# KiCad board RC-2XXA.kicad_pcb (continued)
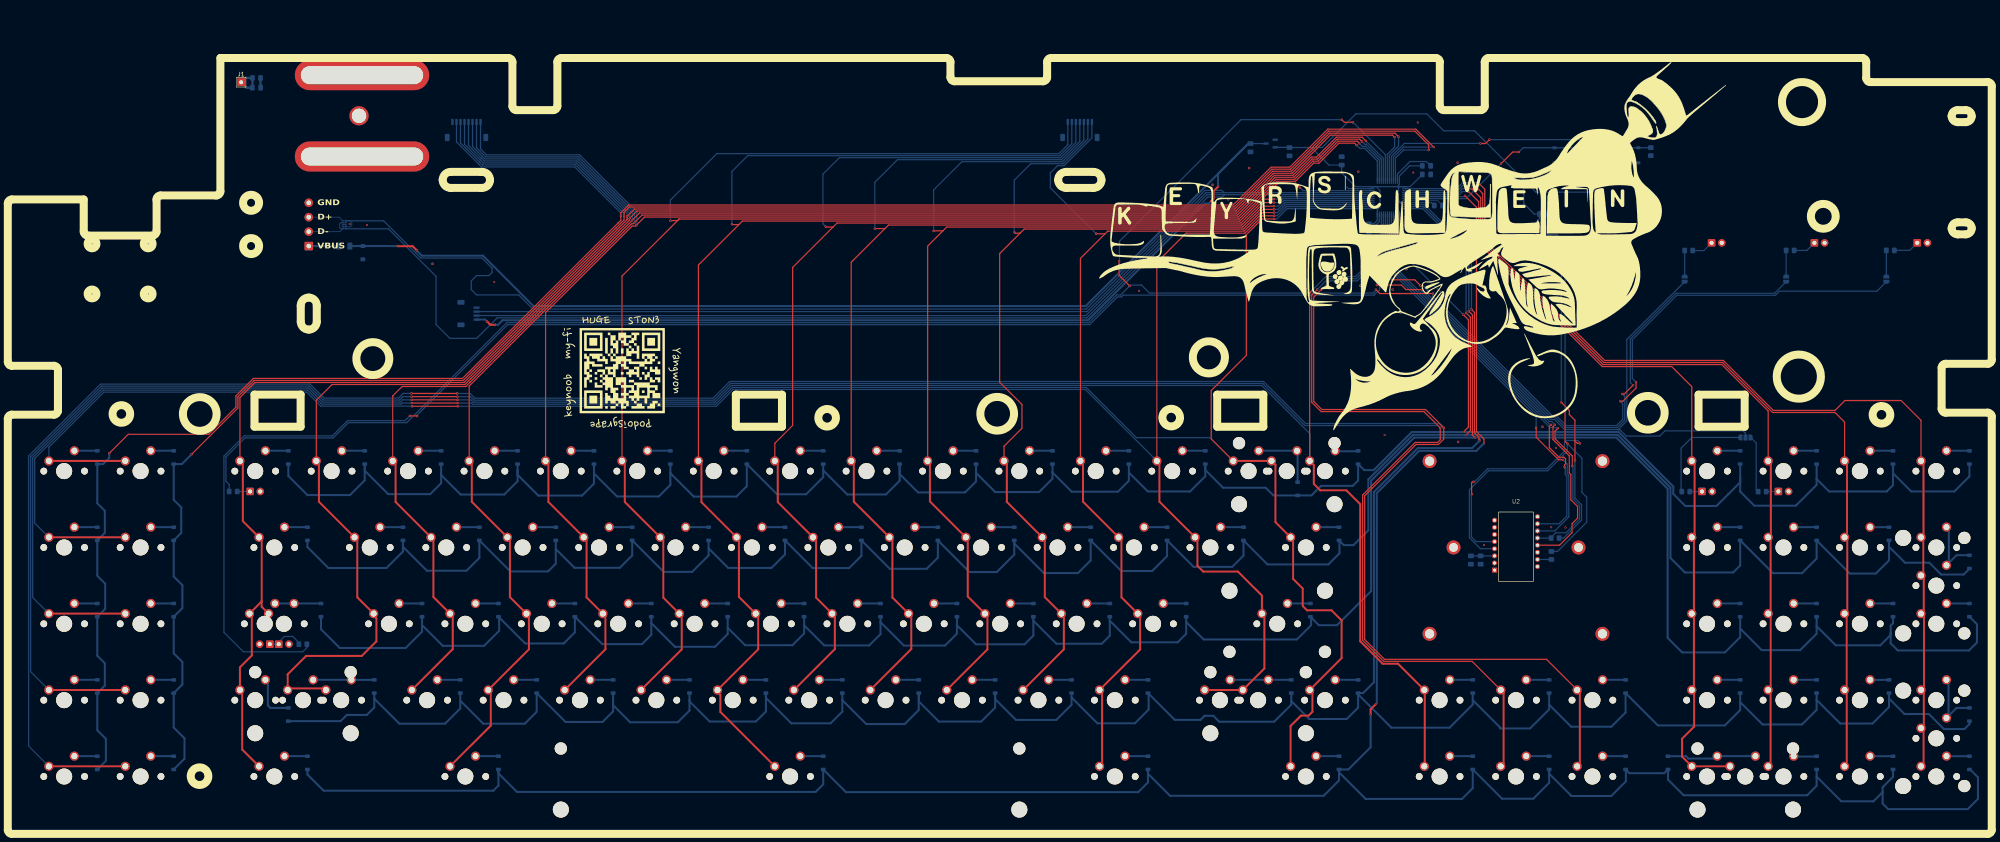
[diagram p0: board, top side]
## Footprints (pads in the part's own frame, mm; a bottom-side part is the same pattern mirrored in y, then rotated)
C_0805_2012Metric_Pad1.18x1.45mm_HandSolder
  rrect 1.175x1.45 smd: 1(-1.038,0) 2(1.038,0)
CAPS_LED_MX_3mm
  round 1.905 hole 1.04: 1(-6.032,-5.08) 1(1.27,-5.08)
  rrect 1.905x1.905 hole 1.04: 2(-3.493,-5.08) 2(-1.27,-5.08)
Cherry-GND-PAD
  round 4.8 hole 3.6: 1(0,0)
  rrect 33.5x7.5 hole 30.5x4.5: 1(0.75,10.15) 1(0.75,-10.15)
D_SOD-123
  rrect 1x1.2 smd: 1(-1.65,0) 2(1.65,0)
D_SOD-123-g
  rrect 0.9x1.2 smd: 1(-1.65,0) 2(1.65,0)
DIP_LED_MX_3mm
  round 1.905 hole 1.04: 1(1.27,-5.08)
  rrect 1.905x1.905 hole 1.04: 2(-1.27,-5.08)
Fuse_1206_3216Metric
  rrect 1.25x1.75 smd: 1(-1.4,0) 2(1.4,0)
JST_SH_SM04B-SRSS-TB_1x04-1MP_P1.00mm_Horizontal
  rrect 0.6x1.55 smd: 1(-1.5,2) 2(-0.5,2) 3(0.5,2) 4(1.5,2)
  rrect 1.2x1.8 smd: MP(-2.8,-1.875) MP(2.8,-1.875)
JST_SH_SM07B-SRSS-TB_1x07-1MP_P1.00mm_Horizontal
  rrect 0.6x1.55 smd: 1(-3,2) 2(-2,2) 3(-1,2) 4(0,2) 5(1,2) 6(2,2) 7(3,2)
  rrect 1.2x1.8 smd: MP(-4.3,-1.875) MP(4.3,-1.875)
JST_SH_SM08B-SRSS-TB_1x08-1MP_P1.00mm_Horizontal
  rrect 0.6x1.55 smd: 1(-3.5,2) 2(-2.5,2) 3(-1.5,2) 4(-0.5,2) 5(0.5,2) 6(1.5,2) 7(2.5,2) 8(3.5,2)
  rrect 1.2x1.8 smd: MP(-4.8,-1.875) MP(4.8,-1.875)
LQFP-48_7x7mm_P0.5mm
  rrect 1.475x0.3 smd: 1(-4.162,2.75) 2(-4.162,2.25) 3(-4.162,1.75) 4(-4.162,1.25) 5(-4.162,0.75) 6(-4.162,0.25) 7(-4.162,-0.25) 8(-4.162,-0.75) 9(-4.162,-1.25) 10(-4.162,-1.75) 11(-4.162,-2.25) 12(-4.162,-2.75) 25(4.162,-2.75) 26(4.162,-2.25) 27(4.162,-1.75) 28(4.162,-1.25) 29(4.162,-0.75) 30(4.162,-0.25) 31(4.162,0.25) 32(4.162,0.75) 33(4.162,1.25) 34(4.162,1.75) 35(4.162,2.25) 36(4.162,2.75)
  rrect 0.3x1.475 smd: 13(-2.75,-4.162) 14(-2.25,-4.162) 15(-1.75,-4.162) 16(-1.25,-4.162) 17(-0.75,-4.162) 18(-0.25,-4.162) 19(0.25,-4.162) 20(0.75,-4.162) 21(1.25,-4.162) 22(1.75,-4.162) 23(2.25,-4.162) 24(2.75,-4.162) 37(2.75,4.162) 38(2.25,4.162) 39(1.75,4.162) 40(1.25,4.162) 41(0.75,4.162) 42(0.25,4.162) 43(-0.25,4.162) 44(-0.75,4.162) 45(-1.25,4.162) 46(-1.75,4.162) 47(-2.25,4.162) 48(-2.75,4.162)
My-SolderWire-0.5sqmm_1x04_D0.9mm_OD2.1mm
  rrect 2.15x2.15 hole 1.15: 1(0,0)
  round 2.15 hole 1.15: 2(3.6,0) 3(7.2,0) 4(10.8,0)
R_0805_2012Metric_Pad1.20x1.40mm_HandSolder
  rrect 1.2x1.4 smd: 1(-1,0) 2(1,0)
SolderJumper-2_P1.3mm_Open_RoundedPad1.0x1.5mm
  custom 1x1.5 smd: 1(-0.65,0) 2(0.65,0)
SolderJumper-3_P1.3mm_Open_RoundedPad1.0x1.5mm
  custom 1.05x1.5 smd: 1(-1.3,0) 3(1.3,0)
  rect 1x1.5 smd: 2(0,0)
SOT-23-3
  rrect 1.325x0.6 smd: 1(-1.137,0.95) 2(-1.137,-0.95) 3(1.137,0)
SOT-23-5
  rrect 1.325x0.6 smd: 1(-1.137,0.95) 2(-1.137,0) 3(-1.137,-0.95) 4(1.137,-0.95) 5(1.137,0.95)
STAB_MX_2.25u
  round 3.048 hole 3.048 unplated: (-11.906,6.985) (11.906,6.985)
  round 3.988 hole 3.988 unplated: (-11.906,-8.255) (11.906,-8.255)
STAB_MX_2.75u
  round 3.048 hole 3.048 unplated: (-11.906,6.985) (11.906,6.985)
  round 3.988 hole 3.988 unplated: (-11.906,-8.255) (11.906,-8.255)
STAB_MX_2u
  round 3.048 hole 3.048 unplated: (-11.906,6.985) (11.906,6.985)
  round 3.988 hole 3.988 unplated: (-11.906,-8.255) (11.906,-8.255)
STAB_MX_7u
  round 3.048 hole 3.048 unplated: (-57.15,6.985) (57.15,6.985)
  round 3.988 hole 3.988 unplated: (-57.15,-8.255) (57.15,-8.255)
SW_MX_1.5u
  round 1.7 hole 1.7 unplated: (-5.08,0) (5.08,0)
  round 3.988 hole 3.988 unplated: (0,0)
  round 2.3 hole 1.524: 1(-3.81,2.54) 2(2.54,5.08)
SW_MX_1.25u
  round 1.7 hole 1.7 unplated: (-5.08,0) (5.08,0)
  round 3.988 hole 3.988 unplated: (0,0)
  round 2.3 hole 1.524: 1(-3.81,2.54) 2(2.54,5.08)
SW_MX_1.75u
  round 1.7 hole 1.7 unplated: (-5.08,0) (5.08,0)
  round 3.988 hole 3.988 unplated: (0,0)
  round 2.3 hole 1.524: 1(-3.81,2.54) 2(2.54,5.08)
SW_MX_1.75u_STP_1.25
  round 1.7 hole 1.7 unplated: (-5.08,0) (5.08,0)
  round 3.988 hole 3.988 unplated: (0,0)
  round 2.3 hole 1.524: 1(-3.81,2.54) 2(2.54,5.08)
SW_MX_1u
  round 1.7 hole 1.7 unplated: (-5.08,0) (5.08,0)
  round 3.988 hole 3.988 unplated: (0,0)
  round 2.3 hole 1.524: 1(-3.81,2.54) 2(2.54,5.08)
SW_Push_1P1T_XKB_TS-1187A
  rect 1x0.75 smd: 1(-3,1.875) 1(3,1.875) 2(-3,-1.875) 2(3,-1.875)
TestPoint_THTPad_2.0x2.0mm_Drill1.0mm
  rect 2x2 hole 1: 1(0,0)
TrackballHolder_34mm
  rect 1.25x1.25 hole 0.75: 1(-5.35,-5.66)
  oval 1.25x1.25 hole 0.75: 2(-5.35,-3.88) 3(-5.35,-2.1) 4(-5.35,-0.32) 5(-5.35,1.46) 6(-5.35,3.24) 7(-5.35,5.02) 8(-5.35,6.8) 9(5.35,7.69) 10(5.35,5.91) 11(5.35,4.13) 12(5.35,2.35) 13(5.35,0.57) 14(5.35,-1.21) 15(5.35,-2.99) 16(5.35,-4.77)
  round 3.5 hole 2.3: 8(-21.549,21.549) 8(-21.549,-21.549) 8(21.549,21.549) 8(21.549,-21.549)
  round 3.5 hole 2.2: 8(-15.581,0) 8(15.581,0)
USON-10_2.5x1.0mm_P0.5mm
  rrect 0.55x0.25 smd: 1(-0.385,1)
  rect 0.55x0.25 smd: 2(-0.385,0.5) 4(-0.385,-0.5) 5(-0.385,-1) 6(0.385,-1) 7(0.385,-0.5) 9(0.385,0.5) 10(0.385,1)
  rect 0.55x0.3 smd: 3(-0.385,0) 8(0.385,0)

## Nets
+3V3: C2.1 C7.1 C8.1 C9.1 C10.1 C11.1 C13.1 R4.1 SW2.2 U1.1 U1.3 U2.5 U4.1 U4.9 U4.24 U4.36 U4.48 U5.2
+5V: C12.1 D206.1 F1.2 J2.1 U5.3
GND: C1.2 C2.2 C3.2 C4.2 C5.2 C6.2 C7.2 C8.2 C9.2 C10.2 C11.2 C12.2 C13.2 D206.2 H1.1 J2.4 J3.4 J4.8 LED1.1 LED2.1 LED3.1 LED4.1 LED5.1 LED6.1 LED7.1 R1.2 R10.2 SW1.2 U1.2 U2.8 U3.3 U3.8 U4.8 U4.23 U4.35 U4.47 U5.1
GNDREF: C1.1 J1.1 R1.1
VBUS: F1.1 J3.1
VDD_TR: C3.1 R5.2 U1.5 U2.4
BOOT-1: R10.1 SW2.1 U4.44
CAPLED: JP2.1 R6.2 U4.18
COL0: J4.5 MX3.1 MX25.1 MX46.1 MX47.1 MX66.1 MX92.1 U4.43
COL1: J4.4 MX4.1 MX26.1 MX48.1 MX67.1 MX68.1 U4.42
COL2: J4.3 MX5.1 MX27.1 MX49.1 MX69.1 U4.40
COL3: J4.2 MX6.1 MX28.1 MX50.1 MX70.1 MX93.1 U4.39
COL4: J4.1 MX7.1 MX29.1 MX51.1 MX71.1 U4.38
COL5: J5.7 MX8.1 MX30.1 MX52.1 MX72.1 U4.37
COL6: J5.6 MX9.1 MX31.1 MX53.1 MX73.1 MX94.1 U4.34
COL7: J5.5 MX10.1 MX32.1 MX54.1 MX74.1 U4.31
COL8: J5.4 MX11.1 MX33.1 MX55.1 MX75.1 U4.30
COL9: J5.3 MX12.1 MX34.1 MX56.1 MX76.1 U4.29
COL10: J5.2 MX13.1 MX35.1 MX57.1 MX77.1 U4.28
COL11: J5.1 MX14.1 MX36.1 MX58.1 MX78.1 MX95.1 U4.27
COL12: MX1.1 MX2.1 MX15.1 MX37.1 MX59.1 MX79.1 MX80.1 U4.26
COL13: MX16.1 MX17.1 MX23.1 MX24.1 MX38.1 MX81.1 MX96.1 U4.25
COL14: MX18.1 MX44.1 MX45.1 MX82.1 MX97.1 U4.22
COL15: MX64.1 MX65.1 MX83.1 MX98.1 U4.21
COL16: MX84.1 MX90.1 MX91.1 MX99.1 U4.20
COL17: MX19.1 MX39.1 MX60.1 MX85.1 MX100.1 MX101.1 U4.5
COL18: MX20.1 MX40.1 MX61.1 MX86.1 MX102.1 U4.4
COL19: MX21.1 MX41.1 MX62.1 MX87.1 MX103.1 U4.3
COL20: MX22.1 MX42.1 MX43.1 MX63.1 MX88.1 MX89.1 MX104.1 U4.2
CS: U2.13 U4.14
DN: J2.2 J3.2 U3.2 U3.5 U3.6 U3.9 U4.32
DP: J2.3 J3.3 U3.1 U3.4 U3.7 U3.10 U4.33
MISO: R4.2 U2.12 U4.16
MOSI: U2.11 U4.17
NUMLED: JP3.1 JP4.2 U4.19
ROW0: D1.1 D23.1 D44.1 D64.1 D90.1 J4.7 U4.45
ROW1: D2.1 D24.1 D45.1 D65.1 D91.1 J4.6 U4.46
ROW2: D3.1 D4.1 D5.1 D6.1 D7.1 D8.1 D9.1 D10.1 D11.1 D12.1 D13.1 D14.1 D15.1 D16.1 D18.1 D19.1 D20.1 D21.1 D22.1 U4.13
ROW3: D25.1 D26.1 D27.1 D28.1 D29.1 D30.1 D31.1 D32.1 D33.1 D34.1 D35.1 D36.1 D37.1 D38.1 D39.1 D40.1 D41.1 D42.1 U4.12
ROW4: D46.1 D48.1 D49.1 D50.1 D51.1 D52.1 D53.1 D54.1 D55.1 D56.1 D57.1 D58.1 D59.1 D60.1 D61.1 D62.1 D63.1 U4.11
ROW5: D66.1 D68.1 D69.1 D70.1 D71.1 D72.1 D73.1 D74.1 D75.1 D76.1 D77.1 D78.1 D80.1 D81.1 D82.1 D83.1 D84.1 D85.1 D86.1 D87.1 D88.1 U4.10
ROW6: D92.1 D93.1 D94.1 D95.1 D96.1 D97.1 D98.1 D99.1 D100.1 D102.1 D103.1 D104.1 U4.6
RST-1: C6.1 SW1.1 U4.7
SCLK: U2.10 U4.15
SCLLED: JP1.1 R2.2 U4.41
Net-(D1-A): D1.2 MX1.2
Net-(D2-A): D2.2 MX2.2
Net-(D3-A): D3.2 MX3.2
Net-(D4-A): D4.2 MX4.2
Net-(D5-A): D5.2 MX5.2
Net-(D6-A): D6.2 MX6.2
Net-(D7-A): D7.2 MX7.2
Net-(D8-A): D8.2 MX8.2
Net-(D9-A): D9.2 MX9.2
Net-(D10-A): D10.2 MX10.2
Net-(D11-A): D11.2 MX11.2
Net-(D12-A): D12.2 MX12.2
Net-(D13-A): D13.2 MX13.2
Net-(D14-A): D14.2 MX14.2
Net-(D15-A): D15.2 MX15.2
Net-(D16-A): D16.2 MX16.2 MX17.2
Net-(D18-A): D18.2 MX18.2
Net-(D19-A): D19.2 MX19.2
Net-(D20-A): D20.2 MX20.2
Net-(D21-A): D21.2 MX21.2
Net-(D22-A): D22.2 MX22.2
Net-(D23-A): D23.2 MX23.2
Net-(D24-A): D24.2 MX24.2
Net-(D25-A): D25.2 MX25.2
Net-(D26-A): D26.2 MX26.2
Net-(D27-A): D27.2 MX27.2
Net-(D28-A): D28.2 MX28.2
Net-(D29-A): D29.2 MX29.2
Net-(D30-A): D30.2 MX30.2
Net-(D31-A): D31.2 MX31.2
Net-(D32-A): D32.2 MX32.2
Net-(D33-A): D33.2 MX33.2
Net-(D34-A): D34.2 MX34.2
Net-(D35-A): D35.2 MX35.2
Net-(D36-A): D36.2 MX36.2
Net-(D37-A): D37.2 MX37.2
Net-(D38-A): D38.2 MX38.2
Net-(D39-A): D39.2 MX39.2
Net-(D40-A): D40.2 MX40.2
Net-(D41-A): D41.2 MX41.2
Net-(D42-A): D42.2 MX42.2 MX43.2
Net-(D44-A): D44.2 MX44.2
Net-(D45-A): D45.2 MX45.2
Net-(D46-A): D46.2 MX46.2 MX47.2
Net-(D48-A): D48.2 MX48.2
Net-(D49-A): D49.2 MX49.2
Net-(D50-A): D50.2 MX50.2
Net-(D51-A): D51.2 MX51.2
Net-(D52-A): D52.2 MX52.2
Net-(D53-A): D53.2 MX53.2
Net-(D54-A): D54.2 MX54.2
Net-(D55-A): D55.2 MX55.2
Net-(D56-A): D56.2 MX56.2
Net-(D57-A): D57.2 MX57.2
Net-(D58-A): D58.2 MX58.2
Net-(D59-A): D59.2 MX59.2
Net-(D60-A): D60.2 MX60.2
Net-(D61-A): D61.2 MX61.2
Net-(D62-A): D62.2 MX62.2
Net-(D63-A): D63.2 MX63.2
Net-(D64-A): D64.2 MX64.2
Net-(D65-A): D65.2 MX65.2
Net-(D66-A): D66.2 MX66.2
Net-(D68-A): D68.2 MX67.2 MX68.2
Net-(D69-A): D69.2 MX69.2
Net-(D70-A): D70.2 MX70.2
Net-(D71-A): D71.2 MX71.2
Net-(D72-A): D72.2 MX72.2
Net-(D73-A): D73.2 MX73.2
Net-(D74-A): D74.2 MX74.2
Net-(D75-A): D75.2 MX75.2
Net-(D76-A): D76.2 MX76.2
Net-(D77-A): D77.2 MX77.2
Net-(D78-A): D78.2 MX78.2
Net-(D80-A): D80.2 MX79.2 MX80.2
Net-(D81-A): D81.2 MX81.2
Net-(D82-A): D82.2 MX82.2
Net-(D83-A): D83.2 MX83.2
Net-(D84-A): D84.2 MX84.2
Net-(D85-A): D85.2 MX85.2
Net-(D86-A): D86.2 MX86.2
Net-(D87-A): D87.2 MX87.2
Net-(D88-A): D88.2 MX88.2 MX89.2
Net-(D90-A): D90.2 MX90.2
Net-(D91-A): D91.2 MX91.2
Net-(D92-A): D92.2 MX92.2
Net-(D93-A): D93.2 MX93.2
Net-(D94-A): D94.2 MX94.2
Net-(D95-A): D95.2 MX95.2
Net-(D96-A): D96.2 MX96.2
Net-(D97-A): D97.2 MX97.2
Net-(D98-A): D98.2 MX98.2
Net-(D99-A): D99.2 MX99.2
Net-(D100-A): D100.2 MX100.2 MX101.2
Net-(D102-A): D102.2 MX102.2
Net-(D103-A): D103.2 MX103.2
Net-(D104-A): D104.2 MX104.2
Net-(JP1-B): JP1.2 R3.2
Net-(JP2-B): JP2.2 R7.2
Net-(JP3-B): JP3.2 R9.2
Net-(JP4-A): JP4.1 R8.2
Net-(JP4-B): JP4.3 R11.2
Net-(LED1-A): LED1.2 R2.1
Net-(LED2-A): LED2.2 R3.1
Net-(LED3-A): LED3.2 R6.1
Net-(LED4-A): LED4.2 R7.1
Net-(LED5-A): LED5.2 R8.1
Net-(LED6-A): LED6.2 R9.1
Net-(LED7-A): LED7.2 R11.1
Net-(U2-LED_P): R5.1 U2.15
Net-(U2-VDDPIX): C4.1 C5.1 U2.3

Pads without a net: J2 MP; J4 MP; J5 MP; U1 4; U2 1 2 6 7 9 14 16

## Via types
v1: diameter 0.5, hole 0.3, Top to Bottom, 18 vias
v2: diameter 0.6, hole 0.3, Top to Bottom, 109 vias

## Routing (per net, layer and track width the routed paths; a pad name or vN(x,y) marks a point on that pad's centre or on a via; arc(x,y) is an arc through that point)
+3V3: length 333.9
  Top w0.3: 390.62,98.08 391.23,97.47 v2(391.86,97.47) ; 390.62,98.08 v2(390.62,93.17) ; 390.62,98.08 390.62,103.27 389.23,104.66 389.23,105.68 v2(387.22,107.69) ; v2(364.96,84.78) 364.86,84.88 364.86,87.67 365.06,87.87 v2(365.38,87.87)
  Bottom w0.3: U4.1 349.55,161.53 C11.1 ; U4.1 346.99,161.53 346.64,161.18 346.64,158.01 347.13,157.53 U4.9 354.86,157.53 C7.1 ; U4.1 346.3,161.53 ; 406.43,167.53 406.37,167.48 SW2.2 400.43,165.58 395,160.15 380.9,160.15 377.88,163.17 ; 380.55,151.77 380.9,151.43 U1.3 381.47,151.43 ; 380.55,151.77 380.55,150.29 381.31,149.53 U1.1 381.94,146.86 387.22,141.57 v2(387.22,107.69) ; 380.55,151.77 380.55,152.32 381.79,153.56 C2.1 380.5,154.69 377.88,157.31 377.88,163.17 ; 324.93,171.29 327.62,171.29 336.01,179.68 353.7,179.68 357.92,175.46 365.59,175.46 377.88,163.17 ; 324.93,171.29 C13.1 319.42,171.33 315.9,171.33 ; 324.93,171.29 329.28,166.93 C9.1 332.49,164.96 335.92,161.53 U4.36 ; 346.87,162.94 346.87,164.19 349.4,166.72 C10.1 ; U4.48 346.87,162.1 346.3,161.53 ; 346.3,161.53 U4.36 ; U2.5 366,72.95 364.81,74.14 364.81,84.63 v2(364.96,84.78) ; U4.36 341.08,161.53 342.01,160.59 342.01,156.41 341.37,155.77 U4.24 341.35,154.6 341.35,153.09 340.52,152.26 C8.1 ; v2(391.86,97.47) 391.86,97.66 391.33,98.19 388.61,98.19 388.01,97.59 388.01,95.52 383.62,91.12 368.85,91.12 365.68,87.96 365.47,87.96 v2(365.38,87.87) ; v2(390.62,93.17) 390.62,83.82 392.27,82.17 392.27,78.3 387.81,73.84 R4.1
+5V: length 466.1
  Top w0.5: v2(301.66,161.51) 300.55,160.4 300.55,158.53 v2(299.95,157.93) ; v2(101.91,145.63) 100.87,146.67 97.22,146.67 v2(97.19,146.7) ; v2(121.39,127.05) 120.25,127.05 v2(119.44,127.87)
  Bottom w0.3: U5.3 313.63,172.28 C12.1
  Bottom w0.5: 309.21,172.28 268.66,131.73 130.98,131.73 118.41,144.3 103.17,144.3 101.91,145.56 v2(101.91,145.63) ; 309.21,172.28 C12.1 ; 309.21,172.28 301.66,164.73 v2(301.66,161.51) ; v2(121.39,127.05) 122.16,127.05 123.29,128.18 269.2,128.18 298.33,157.31 299.33,157.31 v2(299.95,157.93) ; F1.2 D206.1 v2(97.19,146.7) ; v2(119.44,127.87) 118.95,128.35 J2.1
GND: length 36.7
  Bottom w0.2: U4.8 356.43,158.03 C7.2 ; U3.8 U3.3
  Bottom w0.3: C10.2 353.59,167.79 349.5,167.79 346.37,164.66 U4.47 ; C8.2 341.87,152.79 U4.23 ; 333.76,161.43 334.17,161.03 U4.35
  Bottom w0.6: R1.2 62.94,186.25 ; 62.93,186.63 62.96,186.59
  vias: v1(85.16,152.21) v1(89.47,151.94) v1(121.22,137.7) v1(281.97,135.52) v1(343.19,99.56) v1(350.32,165.03) v1(351.45,177.54) v1(367.96,72.09) v1(384.72,76.53) v1(385.88,96.35) v1(388.28,76.47) v2(105.81,142.27) v2(300.29,161.99) v2(304.19,158.37) v2(309.42,166.17) v2(329.03,163.3) v2(336.61,165.28) v2(337.13,136.8) v2(345.18,135.85) v2(348.62,140.94) v2(356.1,146.56) v2(361.37,167.51) v2(361.52,97.83) v2(382.53,101.62)
GNDREF: length 9.1
  Bottom w0.6: 60.94,186.25 R1.1 59.2,188.65 J1.1 59.47,186.21 C1.1 ; 60.93,186.63 60.89,186.59
VBUS: length 7.5
  Bottom w0.5: J3.1 F1.1
VDD_TR: length 138.2
  Top w0.3: v2(388.17,105.65) 388.17,97.96 v2(388.78,97.35)
  Bottom w0.3: R5.2 386.27,70.5 393.57,77.8 393.57,84.03 392.37,85.23 392.37,93.76 v2(388.78,97.35) 388.72,97.29 388.72,95.52 383.82,90.62 369.05,90.62 364.31,85.88 364.31,73.93 367.07,71.17 U2.4 ; v2(388.17,105.65) 388.17,147.46 C3.1 386.1,149.53 U1.5
BOOT-1: length 73.5
  Top w0.3: v2(367.07,172.29) 368.34,172.29 v2(369.32,173.27)
  Bottom w0.3: v2(367.07,172.29) 367.04,172.32 348.1,172.32 344.87,169.09 U4.44 ; v2(369.32,173.27) 398.44,173.27 400.43,171.28 SW2.1 SW2.1 409.5,171.23 R10.1
CAPLED: length 536.8
  Top w0.3: v2(345.04,138.28) 350.68,138.28 v2(352.13,136.83) ; v2(100.18,104.34) 101.88,104.34 v2(101.97,104.24) ; v2(402.44,109.79) 402.93,109.79 v2(405.11,111.97)
  Bottom w0.3: v2(402.44,109.79) 403.05,109.18 403.05,103.27 401.18,101.41 388.26,101.41 385.75,103.92 384.74,103.92 353.85,134.81 353.85,135.74 352.76,136.83 v2(352.13,136.83) ; v2(100.18,104.34) 98.98,103.13 84.66,103.13 80.86,99.33 58.88,99.33 53.82,94.28 53.82,94.28 53.82,50.33 58.7,45.45 73.44,45.45 74.5,46.51 R6.2 ; JP2.1 440.41,134.92 415.81,134.92 404.43,123.54 404.43,112.65 v2(405.11,111.97) ; 344.37,140.01 U4.18 ; 344.37,140.01 341.91,137.55 341.91,135.81 340.56,134.46 278.05,134.46 277.59,134 276.58,134 269.66,127.08 124.55,127.08 101.97,104.5 v2(101.97,104.24) ; 344.37,140.01 344.37,138.96 v2(345.04,138.28)
COL0: length 485.7
  Top w0.3: v2(346.66,173.98) 345.78,174.87 329.43,174.87 319.93,165.37 315.27,165.37 305.85,155.95 156.19,155.95 v2(154.36,154.13) 154.36,154.13 154.36,153.93 154.36,153.93 154.36,153.39 154.36,153.39 154.36,153.3 125.29,124.23 125.28,124.23 113.71,112.66 61.57,112.66 57.81,108.9 MX3.1
  Top w0.5: MX3.1 58.54,92.35 58.54,78.06 MX25.1 63.23,73.37 63.23,58.03 ; 63.23,58.03 63.23,56.7 MX47.1 ; 63.23,58.03 MX46.1 60.78,54.39 60.78,44.55 57.81,41.58 MX66.1 58.38,35.36 58.38,21.07 MX92.1
  Bottom w0.3: v2(346.66,173.98) 346.66,171.67 344.37,169.38 U4.43 ; v2(154.36,154.13) 154.36,154.77 141.68,167.45 118.46,167.45 117.85,168.06 117.85,168.06 117.74,168.17 117.73,168.17 113.8,172.1 J4.5
COL1: length 468.2
  Top w0.3: MX4.1 76.86,108.23 80.79,112.16 113.92,112.16 115.33,113.57 115.34,113.57 154.87,153.1 154.87,153.52 v2(155.01,153.66) 156.8,155.45 306.06,155.45 315.48,164.87 320.14,164.87 329.64,174.37 345.16,174.37 v2(345.67,173.85)
  Top w0.5: MX68.1 78.85,36.32 70.1,36.32 MX67.1 69.71,39.83 74.3,44.42 88.18,44.42 91.83,48.07 91.83,53.82 91.15,54.51 MX48.1 87.07,59.06 87.07,73.34 MX26.1 77.51,82.9 77.51,92.43 MX4.1
  Bottom w0.3: U4.42 343.87,169.59 345.67,171.39 v2(345.67,173.85) ; v2(155.01,153.66) 155.01,153.85 155.01,154.4 155.01,154.4 155.01,154.83 141.88,167.95 118.67,167.95 118.06,168.56 118.06,168.56 117.94,168.67 117.93,168.67 114.8,171.81 J4.4
COL2: length 420.1
  Top w0.3: MX5.1 95.91,109.32 98.25,111.66 114.13,111.66 115.2,112.73 115.21,112.73 155.57,153.09 v2(155.57,153.09) 155.57,153.1 157.42,154.94 306.26,154.94 315.68,164.37 320.34,164.37 324.88,168.9 326.19,168.9 331.16,173.87 337.57,173.87 v2(338.51,172.92)
  Top w0.5: MX5.1 96.62,92.37 96.62,82.84 MX27.1 106.04,73.42 106.04,59.14 MX49.1 110.87,54.31 110.87,46.14 MX69.1
  Bottom w0.3: U4.40 342.87,168.57 v2(338.51,172.92) ; J4.3 115.8,171.53 118.26,169.06 118.26,169.06 118.88,168.45 142.09,168.45 155.66,154.88 155.66,153.18 v2(155.57,153.09)
COL3: length 425.3
  Top w0.3: MX6.1 114.96,111.77 155.44,152.25 155.87,152.25 v2(156.13,152.52) 158.05,154.44 306.46,154.44 315.89,163.87 320.55,163.87 325.09,168.4 326.4,168.4 331.37,173.37 336.97,173.37 v2(337.55,172.79)
  Top w0.5: MX93.1 120.35,27.04 120.35,35.3 MX70.1 129.86,46.08 129.86,54.37 MX50.1 125.12,59.11 125.12,73.39 MX28.1 115.62,82.89 115.62,92.42 MX6.1
  Bottom w0.3: J4.2 116.8,171.24 119.08,168.95 142.3,168.95 156.22,155.03 156.22,152.61 v2(156.13,152.52) ; U4.39 342.37,168.36 338.62,172.1 338.23,172.1 v2(337.55,172.79)
COL4: length 392.9
  Top w0.3: v2(336.85,172.36) 336.35,172.87 331.57,172.87 326.61,167.9 325.29,167.9 320.76,163.37 316.1,163.37 306.67,153.94 158.67,153.94 v2(156.62,151.89) 156.43,151.69 155.59,151.69 134.01,130.11 MX7.1
  Top w0.5: MX7.1 134.71,92.38 134.71,82.85 MX29.1 144.22,73.34 144.22,59.06 MX51.1 148.93,54.35 148.93,46.1 MX71.1
  Bottom w0.3: v2(156.62,151.89) 156.78,152.05 156.78,155.18 142.51,169.45 119.29,169.45 117.8,170.94 J4.1 ; U4.38 341.87,168.15 338.43,171.59 337.63,171.59 v2(336.85,172.36)
COL5: length 440.4
  Top w0.3: 167.29,153.44 166.91,153.05 v2(165.13,153.05) ; 167.29,153.44 153.06,139.2 MX8.1 ; 167.29,153.44 306.9,153.44 316.33,162.87 320.97,162.87 325.5,167.4 326.82,167.4 331.78,172.37 335.72,172.37 v2(336.22,171.87)
  Top w0.5: MX72.1 167.95,46.07 167.95,54.38 MX52.1 163.36,58.97 163.36,73.25 MX30.1 153.76,82.85 153.76,92.38 MX8.1
  Bottom w0.3: U4.37 341.37,167.92 338.2,171.08 337,171.08 v2(336.22,171.87) ; J5.7 264.2,171.96 262,169.76 176.7,169.76 165.13,158.19 v2(165.13,153.05)
COL6: length 426.5
  Top w0.3: v2(180.46,152.16) 180.57,152.05 182.19,152.05 182.25,152.11 ; MX9.1 172.11,141.97 182.25,152.11 ; 182.25,152.11 183.08,152.94 307.11,152.94 316.53,162.37 320.96,162.37 v2(322.07,161.25)
  Top w0.5: MX94.1 177.58,30.46 177.58,34.7 176.95,35.33 176.95,35.85 MX73.1 187.01,46.08 187.01,54.37 MX53.1 182.21,59.17 182.21,73.45 MX31.1 172.86,82.8 172.86,92.33 MX9.1
  Bottom w0.3: J5.6 265.2,172.25 262.21,169.26 184.4,169.26 180.46,165.32 v2(180.46,152.16) ; v2(322.07,161.25) 322.8,160.53 U4.34
COL7: length 356.1
  Top w0.3: 205.67,151.44 195.6,141.37 195.6,101.94 191.16,97.5 MX10.1 ; 205.67,151.44 206.67,152.44 307.33,152.44 313.29,158.4 v2(315.59,158.4) ; 205.67,151.44 203.97,151.44 v2(203.84,151.56)
  Top w0.5: MX10.1 191.89,92.35 191.89,82.82 MX32.1 201.44,73.27 201.44,58.99 MX54.1 206.13,54.3 206.13,46.15 MX74.1
  Bottom w0.3: v2(203.84,151.56) 203.17,152.23 203.17,164.67 207.26,168.76 262.42,168.76 266.2,172.54 J5.5 ; U4.31 317.55,159.03 316.92,158.4 v2(315.59,158.4)
COL8: length 327.7
  Top w0.3: MX11.1 210.21,142.66 218.61,151.06 ; v2(315.62,157.54) 313.14,157.54 307.53,151.94 219.49,151.94 218.61,151.06 ; 218.61,151.06 218.6,151.06 v2(216.09,151.06)
  Top w0.5: MX11.1 210.85,92.44 210.85,82.91 MX33.1 220.47,73.29 220.47,59.01 MX55.1 225.18,54.3 225.18,46.15 MX75.1
  Bottom w0.3: U4.30 317.78,158.53 316.79,157.54 v2(315.62,157.54) ; J5.4 267.2,172.83 262.63,168.26 221.74,168.26 216.09,162.61 v2(216.09,151.06)
COL9: length 296.2
  Top w0.3: 233.08,150.51 229.26,146.69 MX12.1 ; 233.08,150.51 230.77,150.51 v2(230.75,150.49) ; 233.08,150.51 234.01,151.44 307.74,151.44 312.96,156.65 v2(315.6,156.65)
  Top w0.5: MX12.1 229.82,92.52 229.82,82.99 MX34.1 239.26,73.55 239.26,59.27 MX56.1 244.16,54.37 244.16,46.08 MX76.1
  Bottom w0.3: v2(315.6,156.65) 316.61,156.65 317.99,158.03 U4.29 ; J5.3 268.2,173.11 262.85,167.76 237.8,167.76 230.75,160.71 v2(230.75,150.49)
COL10: length 262.9
  Top w0.3: 252.36,149.97 252.3,149.91 251.1,149.91 v2(250.87,150.13) ; 252.36,149.97 253.32,150.93 307.96,150.93 312.88,155.85 v2(315.62,155.85) ; 252.36,149.97 247.21,144.82 247.21,112.74 252.77,107.18 252.77,101.22 248.31,96.76 MX13.1
  Top w0.5: MX77.1 263.21,46.08 263.21,54.37 MX57.1 258.46,59.12 258.46,73.4 MX35.1 249,82.86 249,92.39 MX13.1
  Bottom w0.3: U4.28 318.22,157.53 316.54,155.85 v2(315.62,155.85) ; J5.2 269.2,173.4 263.06,167.26 254.98,167.26 250.85,163.13 250.85,150.15 v2(250.87,150.13)
COL11: length 255.9
  Top w0.3: v2(271.26,149.79) 271.29,149.77 273.5,149.77 ; 273.5,149.77 267.36,143.63 MX14.1 ; 273.5,149.77 274.16,150.43 308.17,150.43 312.79,155.05 v2(315.63,155.05)
  Top w0.5: MX95.1 272.75,17.52 272.75,35.3 MX78.1 282.23,46.05 282.23,54.4 MX58.1 277.58,59.05 277.58,73.33 MX36.1 267.99,82.92 267.99,92.45 MX14.1
  Bottom w0.3: v2(315.63,155.05) 316.45,155.05 318.43,157.03 U4.27 ; J5.1 270.2,173.69 263.26,166.76 261.64,166.76 259.85,164.97 259.85,161.2 v2(271.26,149.79)
COL12: length 508.9
  Top w0.3: v2(112.16,106.73) v2(100.73,106.73) ; v2(315.64,154.25) 312.7,154.25 308.38,149.93 293.71,149.93 286.41,142.63 MX15.1
  Top w0.5: MX79.1 MX80.1 313.2,41.3 313.2,54.38 MX59.1 312.6,59.49 306.61,65.48 297.95,65.48 296.52,66.91 296.52,73.44 MX37.1 287.04,82.92 287.04,92.45 MX15.1 ; MX1.1 MX2.1
  Bottom w0.3: v2(100.73,106.73) 100.7,106.76 77.95,106.76 74.47,110.25 23.9,110.25 10.18,96.53 MX1.1 ; v2(315.64,154.25) 316.37,154.25 318.65,156.53 U4.26 ; MX15.1 268.58,110.91 180.76,110.91 176.58,106.73 v2(112.16,106.73)
COL13: length 556.9
  Top w0.3: MX16.1 299.96,98.58 299.96,110.66 308.7,119.4 308.7,149.55 312.61,153.45 v2(315.65,153.45) ; v2(112.13,107.53) 100.67,107.53 v2(100.66,107.53)
  Top w0.5: MX23.1 MX24.1 ; MX16.1 MX17.1 315.97,92.09 315.97,77.81 MX38.1 320.37,73.41 320.37,63.64 322.77,61.24 322.77,56.87 323.82,55.82 329.93,55.82 332.47,53.29 332.47,43.89 MX81.1 325.19,35.25 325.19,30.5 324.22,29.53 322.32,29.53 319.75,26.96 MX96.1
  Bottom w0.3: MX23.1 6.64,77.57 6.64,93.7 23.69,110.75 74.67,110.75 78.16,107.26 97.98,107.26 98.25,107.53 v2(100.66,107.53) ; MX16.1 299.65,98.89 281.31,98.89 268.79,111.41 180.56,111.41 176.38,107.23 115.76,107.23 115.47,107.53 v2(112.13,107.53) ; U4.25 318.88,156.03 316.3,153.45 v2(315.65,153.45)
COL14: length 568.1
  Top w0.3: MX18.1 324.51,135.06 v2(325.32,135.87) ; v2(100.65,108.33) v2(112.06,108.33)
  Top w0.5: MX44.1 MX45.1 ; MX97.1 353.19,16.99 353.19,35.82 MX82.1 346.53,42.48 342.69,42.48 337.1,48.07 337.1,82.3 333.66,85.74 327.15,85.74 325.54,87.35 325.54,92.05 MX18.1
  Bottom w0.3: v2(112.06,108.33) 115.38,108.33 115.97,107.74 176.17,107.74 180.35,111.92 312.53,111.92 324.51,99.94 MX18.1 ; v2(100.65,108.33) 98.34,108.33 97.78,107.77 78.37,107.77 74.88,111.25 23.49,111.25 6.14,93.91 6.14,59.02 MX44.1 ; U4.22 342.37,145.55 335.91,139.09 328.54,139.09 v2(325.32,135.87)
COL15: length 662.9
  Top w0.3: v2(100.6,109.13) 112.03,109.13 v2(112.03,109.13) ; MX83.1 364.98,43.08 342.94,43.08 337.7,48.32 337.7,84.58 350.82,97.7 356.39,97.7 357.05,98.36 v2(357.05,101.32) 352.97,105.4 327.34,105.4 325.01,107.74 325.01,134.48 v2(326.38,135.85)
  Top w0.5: MX64.1 MX65.1 ; MX83.1 372.85,35.21 372.85,17.6 MX98.1
  Bottom w0.3: U4.21 342.87,145.31 336.1,138.54 329.07,138.54 v2(326.38,135.85) ; v2(100.6,109.13) 98.43,109.13 97.57,108.27 78.58,108.27 75.09,111.75 23.28,111.75 5.64,94.12 5.64,40.48 MX64.1 ; v2(112.03,109.13) 115.29,109.13 116.18,108.24 175.96,108.24 180.14,112.42 312.78,112.42 323.27,101.92 356.45,101.92 v2(357.05,101.32)
COL16: length 703.4
  Top w0.3: MX84.1 383.53,43.59 343.15,43.59 338.21,48.53 338.21,84.38 351.03,97.2 356.6,97.2 357.92,98.52 v2(357.92,101.36) 357.92,101.37 353.39,105.9 327.55,105.9 325.51,107.94 325.51,133.96 v2(327.32,135.77) ; v2(100.58,109.93) 111.98,109.93 v2(111.98,109.93)
  Top w0.5: 391.26,16.5 391.26,16.8 MX99.1 391.85,17.55 391.85,35.26 MX84.1 ; MX90.1 MX91.1
  Bottom w0.3: v2(327.32,135.77) 329.56,138.01 336.33,138.01 343.37,145.05 U4.20 ; v2(357.92,101.36) 357.92,101.37 356.87,102.42 323.48,102.42 312.99,112.92 179.93,112.92 175.75,108.74 116.39,108.74 115.2,109.93 v2(111.98,109.93) ; MX90.1 5.14,21.93 5.14,94.32 23.07,112.26 75.3,112.26 78.78,108.77 97.36,108.77 98.52,109.93 v2(100.58,109.93)
COL17: length 206.3
  Top w0.3: v2(364.11,160.29) 366.64,157.76 366.64,147.41 397.41,116.64 414.74,116.64 419.76,111.63 MX19.1
  Top w0.5: MX101.1 MX100.1 417.33,19.31 417.33,23.77 420.34,26.78 420.34,35.35 MX85.1 420.3,36.48 420.3,54.44 MX60.1 420.3,55.53 420.3,73.49 MX39.1 420.46,74.74 420.46,92.38 MX19.1
  Bottom w0.3: v2(364.11,160.29) 362.54,160.29 361.78,159.53 U4.5
COL18: length 211.2
  Top w0.3: v2(364.88,161.01) 367.14,158.75 367.14,147.62 397.62,117.14 427.22,117.14 438.81,105.55 MX20.1
  Top w0.5: MX20.1 439.47,92.42 439.47,74.7 MX40.1 439.42,73.42 439.42,55.6 MX61.1 439.43,54.36 439.43,36.56 MX86.1 439.4,35.34 439.4,17.48 MX102.1
  Bottom w0.3: v2(364.88,161.01) 362.55,161.01 361.57,160.03 U4.4
COL19: length 229.3
  Top w0.3: 457.86,93.08 457.86,102.76 455.43,105.18 439.88,105.18 427.42,117.65 397.83,117.65 367.65,147.83 367.65,159.8 v2(365.69,161.75)
  Top w0.5: 457.86,16.88 458.38,17.41 458.38,35.41 457.86,35.93 458.37,36.45 458.37,54.47 457.86,54.98 458.52,55.65 458.52,73.37 457.86,74.03 458.45,74.63 458.45,92.49 457.86,93.08
  Bottom w0.3: v2(365.69,161.75) 362.59,161.75 361.36,160.53 U4.3
COL20: length 253
  Top w0.3: MX22.1 476.91,103.21 471.95,108.16 457.94,108.16 455.46,105.68 440.09,105.68 427.63,118.15 398.04,118.15 368.15,148.04 368.15,160.9 v2(366.52,162.52)
  Top w0.5: MX22.1 477.53,92.46 477.53,74.66 MX42.1 477.48,73.46 477.48,65.08 MX43.1 477.59,63.82 477.59,55.67 MX63.1 477.64,54.25 477.64,36.67 MX88.1 477.6,35.24 477.6,27.1 476.91,26.41 477.54,25.77 477.54,17.52 MX104.1
  Bottom w0.3: v2(366.52,162.52) 362.65,162.52 361.15,161.03 U4.2
CS: length 109.2
  Top w0.3: v2(385.63,102.12) 385.16,101.65 385.16,98.43 389.22,94.36 389.22,90.09 389.6,89.71 389.6,83.38 391.29,81.69 391.29,78.81 389.9,77.42 389.9,75.17 386.79,72.06 U2.13
  Bottom w0.3: v2(385.63,102.12) 384.84,102.91 384.33,102.91 346.37,140.88 U4.14
DN: length 501
  Bottom w0.2: U3.6 U3.5 ; U3.6 82.94,151 82.67,151.27 82.67,152.26 82.91,152.5 U3.9 U3.2 ; U3.6 82.74,150.3 74.97,150.3
  Bottom w0.3: 303.31,159.53 302.74,158.95 299.11,158.95 268.94,128.78 121.93,128.78 116.83,123.68 110.14,123.68 106.7,127.12 106.7,139.14 94.84,151 U3.5 ; 303.31,159.53 298.87,159.53 268.69,129.35 J2.2 ; 303.31,159.53 U4.32
DP: length 502.7
  Bottom w0.2: J3.3 82.54,153.9 U3.10 U3.1 85.23,153 85.71,152.52 85.71,151.94 85.27,151.5 U3.4 U3.7
  Bottom w0.3: U4.33 298.64,160.03 268.96,130.35 J2.3 ; U3.1 93.62,153 101.26,145.36 101.26,145.36 101.64,144.98 101.64,144.98 102.92,143.7 118.16,143.7 120.69,141.17 120.69,140.13 119.89,139.33 116.8,139.33 115.48,138.01 115.48,135.83 116.8,134.51 127.3,134.51 130.84,130.97 268.75,130.97 298.37,160.59 302.61,160.59 303.17,160.03 303.17,160.03
MISO: length 109.5
  Top w0.3: v2(386.39,101.23) 385.66,100.5 385.66,98.63 389.97,94.32 v2(389.97,91.81)
  Bottom w0.3: U4.16 345.37,140.46 384.44,101.38 386.24,101.38 v2(386.39,101.23) ; U2.12 R4.2 384.69,74.03 385.81,75.15 388.41,75.15 391.77,78.51 391.77,81.97 390.12,83.62 390.12,91.66 v2(389.97,91.81)
MOSI: length 103.7
  Top w0.3: v2(380.96,101.33) 380.96,98.98 386.57,93.37 v2(387.63,93.37)
  Bottom w0.3: v2(387.63,93.37) 388.71,92.29 388.71,89.89 389.1,89.5 389.1,79.12 385.6,75.62 U2.11 ; v2(380.96,101.33) 380.96,104.15 344.87,140.25 U4.17
NUMLED: length 172.4
  Top w0.3: v2(341.26,136.96) 347.39,136.96 348.52,135.83 v2(352.48,135.83)
  Bottom w0.3: 401.8,100.9 403.41,99.29 411.77,99.29 413.07,100.59 432.54,100.59 433.15,99.99 JP4.2 ; 401.8,100.9 401.4,100.9 ; 401.8,100.9 401.4,100.9 ; 401.4,100.9 401.4,100.92 403.55,103.07 403.55,123.37 JP3.1 ; 401.4,100.9 388.05,100.9 385.54,103.41 384.54,103.41 352.48,135.47 v2(352.48,135.83) ; U4.19 343.87,140.23 341.26,137.62 v2(341.26,136.96)
ROW0: length 526.8
  Top w0.3: v2(25.22,94.98) 29.98,99.74 50.05,99.74 56.81,106.49 56.81,109.31 61.16,113.66 113.3,113.66 152.11,152.48 152.12,152.48 152.77,153.13 v2(152.77,154.26) 152.77,155.01 154.72,156.96 305.44,156.96 314.85,166.37 319.51,166.37 329.01,175.87 350.94,175.87 v2(355.41,171.4)
  Bottom w0.3: J4.7 111.8,172.68 117.31,167.17 117.32,167.17 117.43,167.06 117.43,167.06 118.05,166.45 141.26,166.45 152.77,154.94 v2(152.77,154.26) ; v2(355.41,171.4) 347.91,171.4 345.37,168.86 U4.45
  Bottom w0.5: D90.1 24.39,18.25 24.39,23.74 22.25,25.88 D64.1 24.13,37.04 24.13,42.6 22.25,44.48 D44.1 24.22,56.18 24.22,62.45 22.25,64.42 D23.1 24.13,75.14 24.13,80.63 22.25,82.51 D1.1 23.73,92.31 25.22,93.8 v2(25.22,94.98)
ROW1: length 505
  Top w0.3: v2(354.19,170.67) 354.19,171.91 350.74,175.37 329.22,175.37 319.72,165.87 315.06,165.87 305.64,156.45 154.92,156.45 153.57,155.1 v2(153.57,154.28) 153.57,153.22 151.49,151.13 151.47,151.13 113.5,113.16 61.36,113.16 57.31,109.11 57.31,106.29 v2(45.76,94.74)
  Bottom w0.3: J4.6 112.8,172.39 117.52,167.67 117.53,167.67 117.64,167.56 118.25,166.95 141.47,166.95 153.57,154.84 v2(153.57,154.28) ; U4.46 345.87,168.63 347.91,170.67 v2(354.19,170.67)
  Bottom w0.5: D91.1 43.98,18.79 43.98,23.88 41.3,26.56 D65.1 43.46,37.32 43.46,42.92 41.3,45.08 D45.1 43.46,56.37 43.46,62.09 41.3,64.25 D24.1 43.18,75.14 43.18,81.5 41.3,83.38 D2.1 43.33,92.31 v2(45.76,94.74)
ROW2: length 642.6
  Top w0.3: v1(362.84,100.3) 364.07,101.53 364.07,128.32 v2(362.78,129.61)
  Bottom w0.3: v2(362.78,129.61) 346.87,145.53 346.87,154.61 U4.13
  Bottom w0.5: 146.08,89.96 146.08,87.43 143.08,84.43 132.2,84.43 127.03,89.61 127.03,90.77 ; 146.08,89.96 D7.1 ; 146.08,89.96 151.8,84.23 162.25,84.23 165.13,87.11 165.13,90.17 ; 165.13,90.17 165.13,90.01 170.94,84.19 181.58,84.19 184.18,86.79 D9.1 191.72,84.76 198.95,84.76 203.23,89.04 203.23,90.71 ; 165.13,90.17 D8.1 ; 431.83,89.09 D19.1 ; 431.83,89.09 431.83,85.44 435.34,81.92 445.7,81.92 450.88,87.1 450.88,88.59 ; 431.83,89.09 431.83,87.75 428.89,84.81 428.88,84.81 425.9,81.83 418.16,81.83 415.14,84.85 415.14,86.71 401.55,100.3 349.96,100.3 340.45,90.79 338.09,90.79 D18.1 336.58,88.2 335.24,86.86 327.32,86.86 324.95,84.49 D16.1 315.45,84.49 313.53,86.4 302.9,86.4 298.48,90.82 D15.1 298.48,89.27 294.67,85.46 284.15,85.46 279.43,90.19 279.43,90.23 ; 203.23,90.71 209.21,84.72 218.86,84.72 222.28,88.14 D11.1 222.28,89.82 226.86,85.23 238.59,85.23 241.33,87.97 D12.1 ; 203.23,90.71 D10.1 ; 450.88,88.59 454,85.46 468.34,85.46 469.91,87.03 469.91,92.29 D21.1 469.93,90.01 474.45,85.48 485.23,85.48 488.98,89.23 D22.1 ; 450.88,88.59 D20.1 ; D5.1 107.98,90.01 ; 107.98,90.01 107.98,89.55 112.82,84.7 123.7,84.7 127.03,88.03 127.03,90.77 ; 107.98,90.01 107.98,87.54 105.24,84.8 94.77,84.8 88.93,90.65 D4.1 88.93,88.25 85.24,84.56 74.64,84.56 69.88,89.33 D3.1 ; 279.43,90.23 D14.1 ; 279.43,90.23 279.43,88.15 276.7,85.42 265.16,85.42 260.38,90.21 260.38,90.29 ; 260.38,90.29 260.38,88.66 257.04,85.32 246.11,85.32 241.33,90.1 ; 260.38,90.29 D13.1 ; 127.03,90.77 D6.1
